# KiCad board SparkFun_GNSS_mosaic-T_panelized.kicad_pcb (continued)
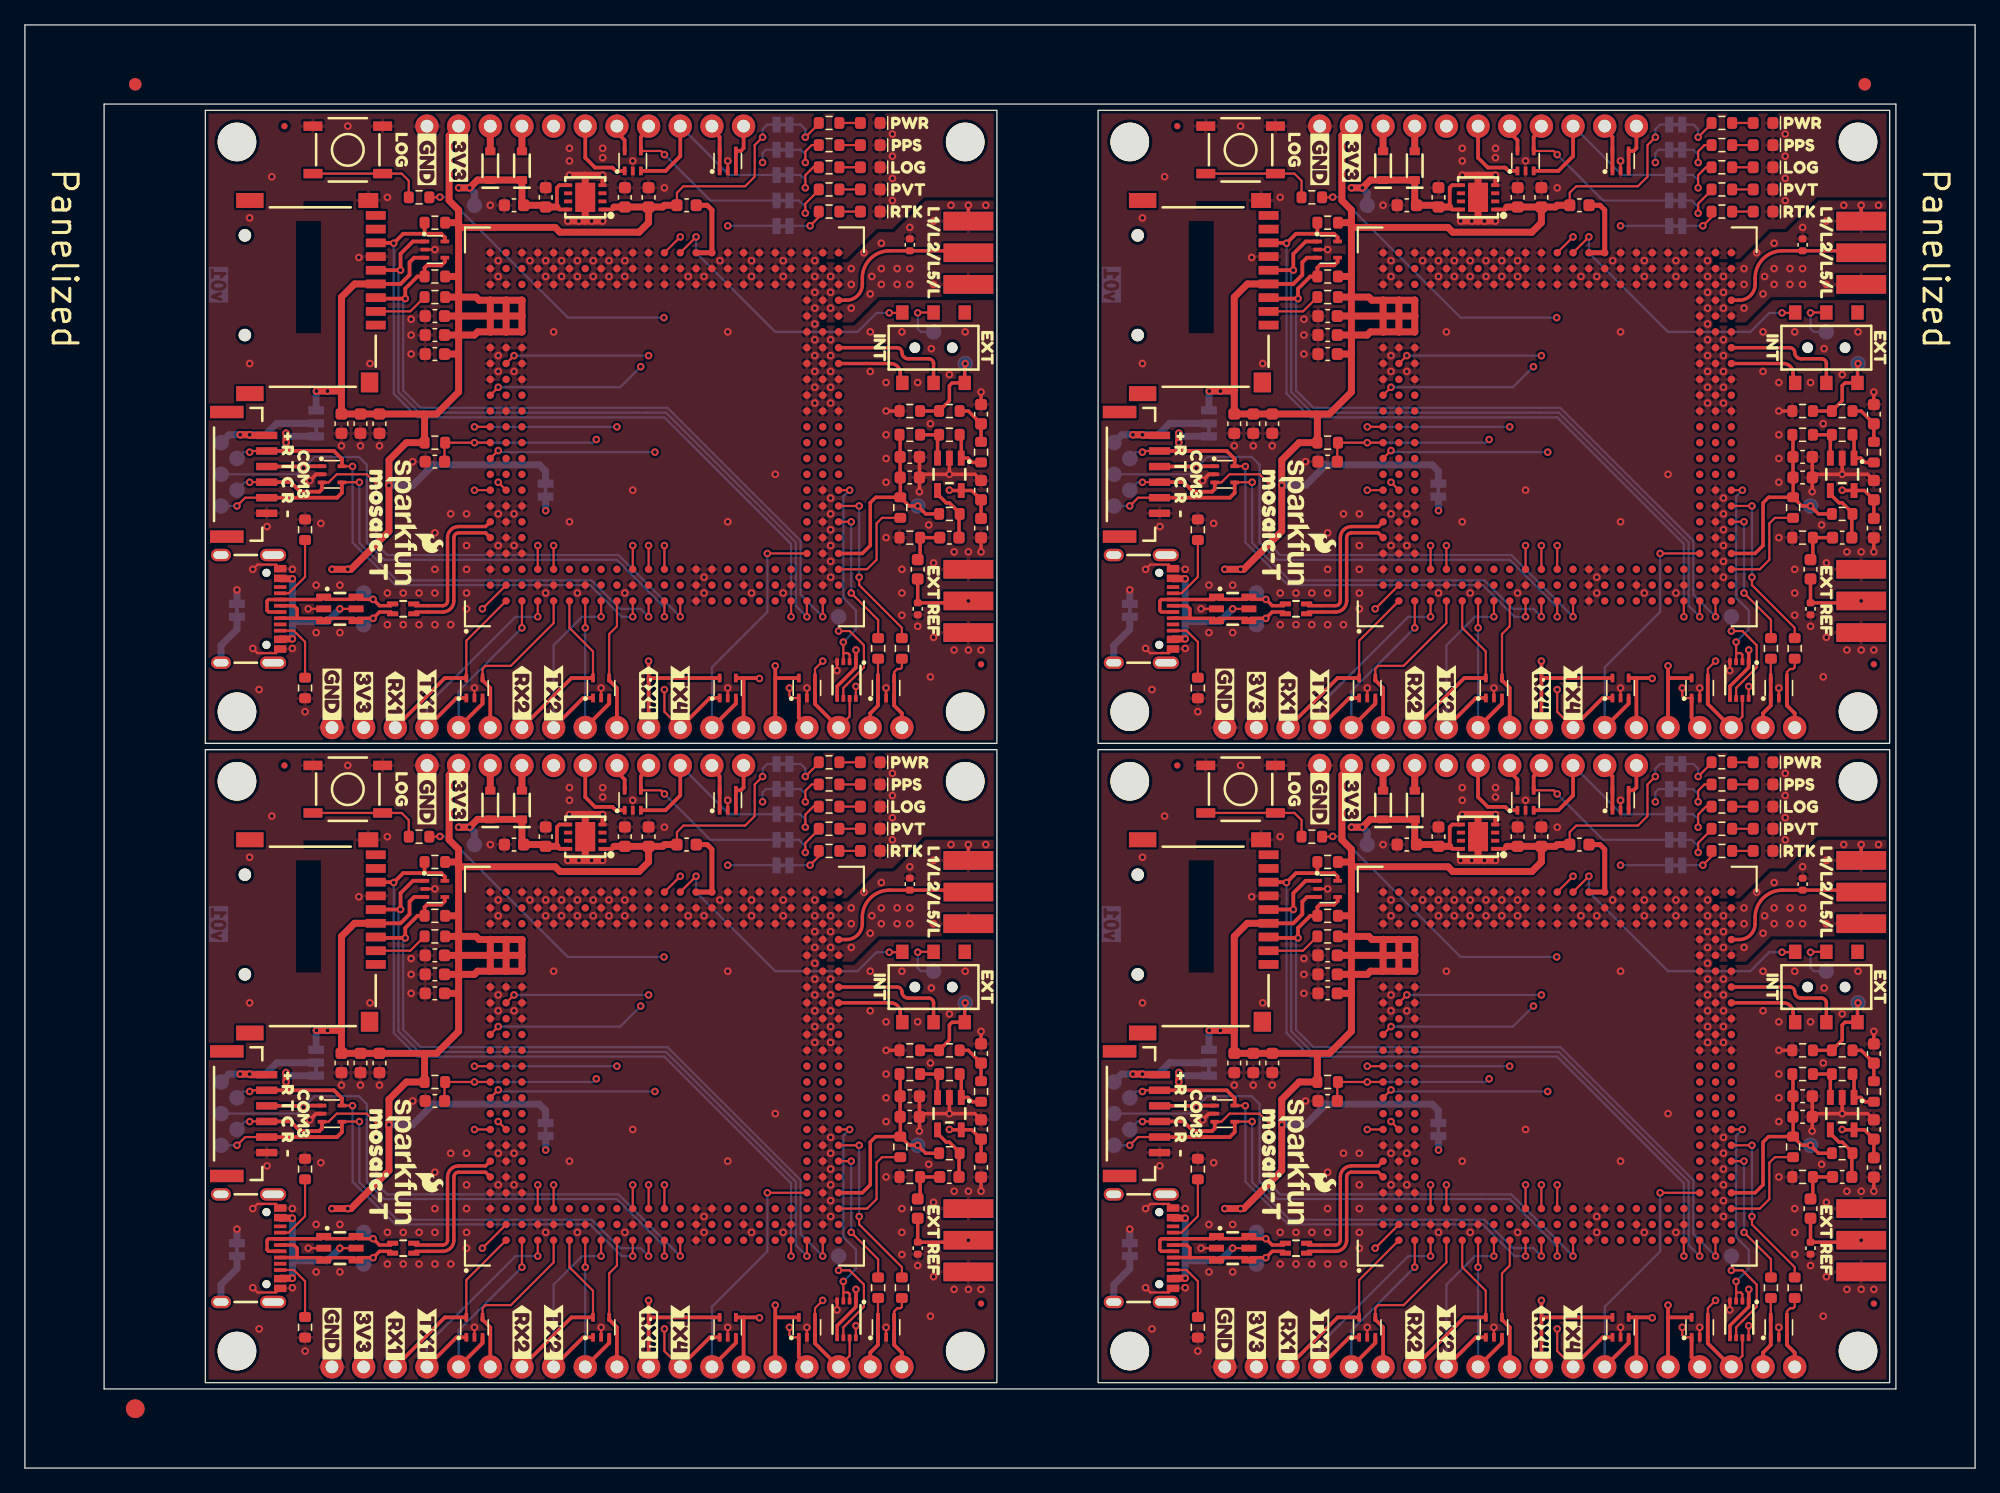
[diagram p0: board, top side]
## Routing (per net, layer and track width the routed paths; a pad name or vN(x,y) marks a point on that pad's centre or on a via; arc(x,y) is an arc through that point) (continued)
VBATT: length 292.4
  Top w0.178: U1#3.B8 v1(37.97,79.11) ; U1#2.B8 v1(109.59,27.81) ; U1.B8 v1(37.97,27.81) ; U1#4.B8 v1(109.59,79.11)
  L3.Cu w0.559: 109.59,28.44 112.38,28.44 113.4,27.42 v1(113.4,25.52) ; 109.59,28.44 v1(109.59,27.81) ; 109.59,28.44 105.9,28.44 102.73,25.27 95.11,25.27 92.57,27.81 92.57,29.84 93.84,31.11 93.84,48.89 94.73,49.78 107.43,49.78 J3#2.5 ; 37.97,28.44 40.76,28.44 41.78,27.42 v1(41.78,25.52) ; 37.97,28.44 v1(37.97,27.81) ; 37.97,28.44 34.28,28.44 31.11,25.27 23.49,25.27 20.95,27.81 20.95,29.84 22.22,31.11 22.22,48.89 23.11,49.78 35.81,49.78 J3.5 ; v1(113.4,76.82) 113.4,78.72 112.38,79.74 109.59,79.74 ; J3#4.5 35.81,101.08 23.11,101.08 22.22,100.19 22.22,82.41 20.95,81.14 20.95,79.11 23.49,76.56 31.11,76.56 34.28,79.74 37.97,79.74 ; 37.97,79.74 40.76,79.74 41.78,78.72 v1(41.78,76.82) ; 37.97,79.74 v1(37.97,79.11) ; 109.59,79.74 v1(109.59,79.11) ; 109.59,79.74 105.9,79.74 102.73,76.56 95.11,76.56 92.57,79.11 92.57,81.14 93.84,82.41 93.84,100.19 94.73,101.08 107.43,101.08 J3#3.5
  Bottom w0.559: VBATT1#3.2 113.4,77.94 v1(113.4,76.82) ; v1(41.78,76.82) 41.78,77.94 VBATT1#2.2 ; VBATT1.2 41.78,26.64 v1(41.78,25.52) ; VBATT1#4.2 113.4,26.64 v1(113.4,25.52)
VIN: length 8.1
  Top w0.559: J3.3 D19#2.2 ; J3#4.3 D19#3.2 ; J3#2.3 D19.2 ; J3#3.3 D19#4.2
ANT: length 51.8
  Top w0.282: U1#4.AC20 137.53,93.71 arc(138.42,94.08) 138.8,94.98 138.8,95.49 arc(139.44,97.03) 140.98,97.68 D9#4.2 147.15,97.68 J2#2.1 ; J2#3.1 75.53,46.38 D9.2 69.36,46.38 arc(67.82,45.73) 67.18,44.19 67.18,43.68 arc(66.8,42.78) 65.91,42.41 U1.AC20 ; J2#4.1 147.15,46.38 D9#2.2 140.98,46.38 arc(139.44,45.73) 138.8,44.19 138.8,43.68 arc(138.42,42.78) 137.53,42.41 U1#2.AC20 ; U1#3.AC20 65.91,93.71 arc(66.8,94.08) 67.18,94.98 67.18,95.49 arc(67.82,97.03) 69.36,97.68 D9#3.2 75.53,97.68 J2.1
CTS1: length 55.9
  Top w0.178: D13#2.4 108.33,12.83 108.57,13.07 110.6,13.07 114.03,16.5 U1#2.E1 ; D13#3.4 36.71,64.13 36.95,64.37 38.98,64.37 42.41,67.8 U1#3.E1 ; D13.4 36.71,12.83 36.95,13.07 38.98,13.07 42.41,16.5 U1.E1 ; D13#4.4 108.33,64.13 108.57,64.37 110.6,64.37 114.03,67.8 U1#4.E1
  Top w0.305: J4#2.6 108.95,11.3 108.33,11.92 D13#2.4 ; D13.4 36.71,11.92 37.33,11.3 J4.6 ; J4#3.6 37.33,62.59 36.71,63.22 D13#3.4 ; J4#4.6 108.95,62.59 108.33,63.22 D13#4.4
CTS2: length 42.7
  Top w0.178: U1#3.J1 47.49,67.55 46.87,66.93 D12#2.4 ; U1#4.J1 119.11,67.55 118.49,66.93 D12#4.4 ; U1.J1 47.49,16.25 46.87,15.63 D12#3.4 ; D12.4 118.49,15.63 119.11,16.25 U1#2.J1
  Top w0.305: D12#4.4 118.49,63.22 119.11,62.59 J4#4.10 ; J4.10 47.49,11.3 46.87,11.92 D12#3.4 ; D12.4 118.49,11.92 119.11,11.3 J4#2.10 ; J4#3.10 47.49,62.59 46.87,63.22 D12#2.4
CTS3: length 184.4
  Top w0.178: v1(28.19,26.53) 28.19,27.68 27.42,28.44 25.01,28.44 24.36,27.79 D14#2.3 23.63,27.79 23.6,27.81 ; 95.22,79.12 95.25,79.09 D14.3 95.98,79.09 96.63,79.74 99.04,79.74 99.81,78.98 v1(99.81,77.84) ; U1#4.N1 v1(124.19,68.31) ; J5.4 89.66,79.12 v1(89.65,79.11) ; J5#3.4 18.04,79.12 v1(18.03,79.11) ; 95.22,27.81 95.25,27.79 D14#3.3 95.98,27.79 96.63,28.44 99.04,28.44 99.81,27.68 v1(99.81,26.53) ; U1.N1 v1(52.57,17.01) ; J5#2.4 18.04,27.81 v1(18.03,27.81) ; J5#4.4 89.66,27.81 v1(89.65,27.81) ; v1(28.19,77.84) 28.19,78.98 27.42,79.74 25.01,79.74 24.36,79.09 D14#4.3 23.63,79.09 23.6,79.12 ; U1#3.N1 v1(52.57,68.31) ; U1#2.N1 v1(124.19,17.01)
  Top w0.305: J5#2.4 21.32,27.81 22.09,27.04 23.61,27.04 23.83,27.26 D14#2.3 ; D14#4.3 23.83,78.56 23.61,78.34 22.09,78.34 21.32,79.12 J5#3.4 ; D14#3.3 95.45,27.26 95.23,27.04 93.71,27.04 92.94,27.81 J5#4.4 ; D14.3 95.45,78.56 95.23,78.34 93.71,78.34 92.94,79.12 J5.4
  Bottom w0.178: v1(28.19,77.84) 28.19,74.15 29.08,73.26 47.62,73.26 v1(52.57,68.31) ; v1(124.19,68.31) 119.24,73.26 100.69,73.26 99.81,74.15 v1(99.81,77.84) ; v1(28.19,26.53) 28.19,22.85 29.08,21.96 47.62,21.96 v1(52.57,17.01) ; TP5#4.1 17.65,79.11 v1(18.03,79.11) ; TP5.1 17.65,27.81 v1(18.03,27.81) ; TP5#2.1 89.27,27.81 v1(89.65,27.81) ; v1(124.19,17.01) 119.24,21.96 100.69,21.96 99.81,22.85 v1(99.81,26.53) ; TP5#3.1 89.27,79.11 v1(89.65,79.11)
D+: length 48.6
  Top w0.278: TR1#3.4 31.34,68.69 33.52,68.69 arc(34.15,68.95) 34.41,69.58 34.41,74.66 arc(34.52,74.93) 34.79,75.04 36.95,75.04 U1#3.A5 ; TR1.4 102.96,68.69 105.14,68.69 arc(105.77,68.95) 106.03,69.58 106.03,74.66 arc(106.14,74.93) 106.41,75.04 108.57,75.04 U1#4.A5 ; U1#2.A5 108.57,23.74 106.41,23.74 arc(106.14,23.63) 106.03,23.36 106.03,18.28 arc(105.77,17.65) 105.14,17.39 102.96,17.39 102.81,17.25 ; 31.19,17.25 31.34,17.39 33.52,17.39 arc(34.15,17.65) 34.41,18.28 34.41,23.36 arc(34.52,23.63) 34.79,23.74 36.95,23.74 U1.A5
D-: length 48.6
  Top w0.278: TR1#2.2 31.34,17.9 33.52,17.9 arc(33.79,18.01) 33.9,18.28 33.9,23.36 arc(34.16,23.99) 34.79,24.25 36.95,24.25 U1.A6 ; TR1#4.2 102.96,17.9 105.14,17.9 arc(105.41,18.01) 105.52,18.28 105.52,23.36 arc(105.78,23.99) 106.41,24.25 108.57,24.25 U1#2.A6 ; TR1#3.2 31.34,69.2 33.52,69.2 arc(33.79,69.31) 33.9,69.58 33.9,74.66 arc(34.16,75.29) 34.79,75.55 36.95,75.55 U1#3.A6 ; TR1.2 102.96,69.2 105.14,69.2 arc(105.41,69.31) 105.52,69.58 105.52,74.66 arc(105.78,75.29) 106.41,75.55 108.57,75.55 U1#4.A6
EVENT_A: length 23.2
  Top w0.178: D15.5 140.05,64.93 140.06,64.95 ; D15#4.5 140.05,13.63 R8#2.2 ; D15#3.5 68.43,13.63 R8#4.2 ; 68.44,64.95 68.43,64.93 D15#2.5
  Top w0.305: J4#3.18 67.81,60.56 68.43,61.18 D15#2.1 D15#2.5 ; J4#2.18 139.43,9.26 140.05,9.88 D15#4.1 D15#4.5 ; D15.5 D15.1 140.05,61.18 139.43,60.56 J4#4.18 ; D15#3.5 D15#3.1 68.43,9.88 67.81,9.26 J4.18
EVENT_B: length 24.7
  Top w0.178: D15#2.4 69.73,63.88 69.97,64.12 70.22,64.12 70.35,64.25 70.35,64.95 ; D15.4 141.35,63.88 141.59,64.12 141.84,64.12 141.97,64.25 141.97,64.95 ; R9#4.2 70.35,12.95 70.22,12.82 69.97,12.82 69.73,12.58 D15#3.4 ; D15#4.4 141.35,12.58 141.59,12.82 141.84,12.82 141.97,12.95 R9.2
  Top w0.305: J4#4.19 141.97,60.56 141.35,61.18 D15.3 D15.4 ; D15#2.4 D15#2.3 69.73,61.18 70.35,60.56 J4#3.19 ; J4#2.19 141.97,9.26 141.35,9.88 D15#4.3 D15#4.4 ; D15#3.4 D15#3.3 69.73,9.88 70.35,9.26 J4.19
GP1: length 88.6
  Top w0.178: U1#3.AA4 v1(59.56,73.39) ; U1.AA4 v1(59.56,22.09) ; U1#4.AA4 v1(131.18,73.39) ; U1#2.AA4 v1(131.18,22.09)
  Top w0.305: D11#2.3 128.65,10.04 J4#2.13 ; D11#3.3 57.03,10.04 J4.13 ; J4#3.13 57.03,61.34 D11#4.3 ; D11.3 128.65,61.34 J4#4.13
  Bottom w0.178: v1(131.18,22.09) 131.18,17.39 126.73,12.95 J4#2.13 ; J4#4.13 126.73,64.25 131.18,68.69 v1(131.18,73.39) ; v1(59.56,22.09) 59.56,17.39 55.11,12.95 J4.13 ; v1(59.56,73.39) 59.56,68.69 55.11,64.25 J4#3.13
GP2: length 97.2
  Top w0.178: U1#3.L3 v1(50.03,74.03) ; U1.L3 v1(50.03,22.73) ; U1#2.L3 v1(121.65,22.73) ; U1#4.L3 v1(121.65,74.03)
  Top w0.305: D11#2.4 129.27,12.09 ; 129.27,12.09 J4#2.14 ; 129.27,12.09 130.5,12.09 v1(130.54,12.06) ; J4#3.14 57.65,63.39 ; 57.65,63.39 58.88,63.39 v1(58.92,63.36) ; 57.65,63.39 D11#4.4 ; J4#4.14 129.27,63.39 ; 129.27,63.39 130.5,63.39 v1(130.54,63.36) ; 129.27,63.39 D11.4 ; J4.14 57.65,12.09 ; 57.65,12.09 58.88,12.09 v1(58.92,12.06) ; 57.65,12.09 D11#3.4
  L3.Cu w0.178: v1(50.03,74.03) 50.66,73.39 50.66,67.93 54.73,63.87 58.41,63.87 v1(58.92,63.36) ; v1(121.65,74.03) 122.28,73.39 122.28,67.93 126.35,63.87 130.03,63.87 v1(130.54,63.36) ; v1(121.65,22.73) 122.28,22.09 122.28,16.63 126.35,12.56 130.03,12.56 v1(130.54,12.06) ; v1(50.03,22.73) 50.66,22.09 50.66,16.63 54.73,12.56 58.41,12.56 v1(58.92,12.06)
LOG_BTN: length 275.2
  Top w0.178: v1(104.91,50.68) 104.89,50.67 R13#2.2 ; v1(132.95,11.3) 132.95,10.66 133.12,10.5 D10#3.1 ; v1(104.91,101.98) 104.89,101.97 R13#3.2 ; U1.K3 v1(48.76,22.73) ; D10#4.1 61.5,61.8 61.33,61.96 v1(61.33,62.59) ; v1(33.29,50.68) 33.27,50.67 R13.2 ; D10#2.1 133.12,61.8 132.95,61.96 v1(132.95,62.59) ; R13#4.2 33.27,101.97 v1(33.29,101.98) ; D10.1 61.5,10.5 61.33,10.66 v1(61.33,11.3) ; U1#4.K3 v1(120.38,74.03) ; U1#2.K3 v1(120.38,22.73) ; U1#3.K3 v1(48.76,74.03)
  Top w0.305: D10.1 62.08,8.9 62.73,8.25 J4.16 ; J4#3.16 62.73,59.55 62.08,60.2 D10#4.1 ; D10#3.1 133.7,8.9 134.35,8.25 J4#2.16 ; D10#2.1 133.7,60.2 134.35,59.55 J4#4.16
  L3.Cu w0.178: v1(132.95,11.3) 132.83,11.17 130.03,11.17 129.14,12.06 125.59,12.06 121.02,16.63 121.02,22.09 v1(120.38,22.73) 122.92,25.27 122.92,40.97 v1(122.88,41.01) ; v1(51.26,92.31) 51.3,92.27 51.3,76.56 v1(48.76,74.03) 49.4,73.39 49.4,67.93 53.97,63.36 57.52,63.36 58.41,62.47 61.21,62.47 v1(61.33,62.59) ; v1(61.33,11.3) 61.21,11.17 58.41,11.17 57.52,12.06 53.97,12.06 49.4,16.63 49.4,22.09 v1(48.76,22.73) 51.3,25.27 51.3,40.97 v1(51.26,41.01) ; v1(132.95,62.59) 132.83,62.47 130.03,62.47 129.14,63.36 125.59,63.36 121.02,67.93 121.02,73.39 v1(120.38,74.03) 122.92,76.56 122.92,92.27 v1(122.88,92.31)
  Bottom w0.178: v1(104.91,50.68) 105.5,50.68 115.17,41.01 v1(122.88,41.01) ; v1(51.26,41.01) 43.55,41.01 33.88,50.68 v1(33.29,50.68) ; v1(51.26,92.31) 43.55,92.31 33.88,101.98 v1(33.29,101.98) ; v1(104.91,101.98) 105.5,101.98 115.17,92.31 v1(122.88,92.31)
LOG_LED: length 253.6
  Top w0.178: U1#3.B2 v1(36.69,68.94) ; U1.B2 v1(36.69,17.64) ; U1#2.B2 v1(108.31,17.64) ; U1#4.B2 v1(108.31,68.94)
  Top w0.305: D7.3 51.39,52.79 52.57,53.97 J3.9 ; J3#2.9 124.19,53.97 123.01,52.79 D7#2.3 ; J3#4.9 52.57,105.27 51.39,104.09 D7#3.3 ; D7#4.3 123.01,104.09 124.19,105.27 J3#3.9
  L3.Cu w0.178: J3#2.9 120.38,52.57 120.38,31.36 111.49,22.47 111.49,20.82 v1(108.31,17.64) ; J3#3.9 120.38,103.87 120.38,82.66 111.49,73.77 111.49,72.12 v1(108.31,68.94) ; v1(36.69,17.64) 39.87,20.82 39.87,22.47 48.76,31.36 48.76,52.57 J3.9 ; J3#4.9 48.76,103.87 48.76,82.66 39.87,73.77 39.87,72.12 v1(36.69,68.94)
  Bottom w0.178: J3#2.9 128.11,52.46 LOG1#2.2 ; J3#4.9 56.49,103.76 LOG1#3.2 ; J3#3.9 128.11,103.76 LOG1.2 ; J3.9 56.49,52.46 LOG1#4.2
ON_OFF: length 193.1
  Top w0.178: v1(109.59,30.34) U1#2.A10 ; v1(37.97,81.65) U1#3.A10 ; v1(37.97,30.34) U1.A10 ; v1(109.59,81.65) U1#4.A10
  Top w0.305: J3#3.11 129.27,105.9 129.05,105.69 D8#3.4 D8#3.3 ; J3#2.11 129.27,54.6 129.05,54.39 D8#2.4 D8#2.3 ; J3#4.11 57.65,105.9 57.43,105.69 D8.4 D8.3 ; J3.11 57.65,54.6 57.43,54.39 D8#4.4 D8#4.3
  L3.Cu w0.178: J3#4.11 57.65,104 57.14,103.49 54.47,103.49 50.58,99.59 50.58,81.56 v1(50.54,81.52) ; v1(50.54,30.22) 50.58,30.26 50.58,48.29 54.47,52.19 57.14,52.19 57.65,52.7 J3.11 ; v1(122.16,30.22) 122.2,30.26 122.2,48.29 126.09,52.19 128.76,52.19 129.27,52.7 J3#2.11 ; v1(122.16,81.52) 122.2,81.56 122.2,99.59 126.09,103.49 128.76,103.49 129.27,104 J3#3.11
  Bottom w0.178: v1(109.59,81.65) 109.71,81.52 v1(122.16,81.52) ; v1(109.59,30.34) 109.71,30.22 v1(122.16,30.22) ; v1(50.54,81.52) 38.09,81.52 v1(37.97,81.65) ; v1(50.54,30.22) 38.09,30.22 v1(37.97,30.34)
PMIC_ON_REQ: length 144.3
  Top w0.178: U1#4.B16 v1(110.86,89.27) ; U1.B16 v1(39.24,37.97) ; U1#2.B16 v1(110.86,37.97) ; U1#3.B16 v1(39.24,89.27)
  Top w0.305: D8#3.1 D8#3.5 127.35,106.81 126.73,107.43 J3#3.10 ; D8.1 D8.5 55.73,106.81 55.11,107.43 J3#4.10 ; D8#4.1 D8#4.5 55.73,55.51 55.11,56.13 J3.10 ; J3#2.10 126.73,56.13 127.35,55.51 D8#2.5 D8#2.1
  L3.Cu w0.178: J3.10 55.11,53.33 50.03,48.25 v1(50.03,37.97) ; v1(50.03,89.27) 50.03,99.55 55.11,104.63 J3#4.10 ; v1(121.65,37.97) 121.65,48.25 126.73,53.33 J3#2.10 ; v1(121.65,89.27) 121.65,99.55 126.73,104.63 J3#3.10
  Bottom w0.178: v1(39.24,89.27) v1(50.03,89.27) ; v1(110.86,89.27) v1(121.65,89.27) ; v1(39.24,37.97) v1(50.03,37.97) ; v1(110.86,37.97) v1(121.65,37.97)
PPS: length 270.4
  Top w0.178: J4#2.17 137.78,9 137.78,10.45 ; 66.16,10.45 66.16,9 J4.17 ; D10#4.4 63.38,64.13 v1(64,64.75) ; D10.4 63.38,12.83 v1(64,13.45) ; v1(135.62,64.75) 135,64.13 D10#2.4 ; 66.16,61.75 66.16,60.31 J4#3.17 ; v1(135.62,13.45) 135,12.83 D10#3.4 ; 137.78,61.75 137.78,60.31 J4#4.17
  Top w0.305: D10#3.4 D10#3.3 135,10.01 J4#2.17 ; J4#3.17 63.38,61.31 D10#4.3 D10#4.4 ; D10.4 D10.3 63.38,10.01 J4.17 ; D10#2.4 D10#2.3 135,61.31 J4#4.17
  L3.Cu w0.178: v1(64,13.45) 63.62,13.84 57.14,13.84 52.57,18.41 52.57,41.65 51.55,42.66 51.55,48 52.7,49.14 54.73,49.14 56.13,47.74 56.89,47.74 59.17,50.03 v1(59.17,53.46) ; v1(135.62,64.75) 135.24,65.14 128.76,65.14 124.19,69.71 124.19,92.95 123.17,93.96 123.17,99.3 124.32,100.44 126.35,100.44 127.75,99.04 128.51,99.04 130.79,101.33 v1(130.79,104.76) ; v1(130.79,53.46) 130.79,50.03 128.51,47.74 127.75,47.74 126.35,49.14 124.32,49.14 123.17,48 123.17,42.66 124.19,41.65 124.19,18.41 128.76,13.84 135.24,13.84 v1(135.62,13.45) ; v1(59.17,104.76) 59.17,101.33 56.89,99.04 56.13,99.04 54.73,100.44 52.7,100.44 51.55,99.3 51.55,93.96 52.57,92.95 52.57,69.71 57.14,65.14 63.62,65.14 v1(64,64.75)
  Bottom w0.178: v1(130.79,104.76) 130.79,105.52 131.06,105.78 PPS1#4.2 ; PPS1#2.2 59.44,105.78 59.17,105.52 v1(59.17,104.76) ; PPS1#3.2 131.06,54.48 130.79,54.22 v1(130.79,53.46) ; PPS1.2 59.44,54.48 59.17,54.22 v1(59.17,53.46)
PPS_1V8: length 67.3
  Top w0.178: v1(65.65,66.28) 65.66,66.27 65.66,65.39 ; 65.66,14.09 65.66,14.97 v1(65.65,14.98) ; 65.66,14.09 66.03,14.09 66.16,13.97 U2.2 ; 65.66,14.09 U2.3 ; v1(137.27,14.98) 137.28,14.97 137.28,14.09 ; v1(137.78,78.47) U1#4.AC8 ; 65.66,65.39 U2#2.3 ; 65.66,65.39 66.03,65.39 66.16,65.27 U2#2.2 ; v1(137.27,66.28) 137.28,66.27 137.28,65.39 ; 137.28,65.39 137.65,65.39 137.78,65.27 U2#3.2 ; 137.28,65.39 U2#3.3 ; v1(66.16,27.17) U1.AC8 ; v1(137.78,27.17) U1#2.AC8 ; 137.28,14.09 U2#4.3 ; 137.28,14.09 137.65,14.09 137.78,13.97 U2#4.2 ; v1(66.16,78.47) U1#3.AC8
  Bottom w0.178: v1(137.27,66.28) 138.29,67.29 138.29,68.82 137.27,69.83 137.27,77.96 v1(137.78,78.47) ; v1(66.16,78.47) 65.65,77.96 65.65,69.83 66.67,68.82 66.67,67.29 v1(65.65,66.28) ; v1(65.65,14.98) 66.67,15.99 66.67,17.52 65.65,18.53 65.65,26.66 v1(66.16,27.17) ; v1(137.78,27.17) 137.27,26.66 137.27,18.53 138.29,17.52 138.29,15.99 v1(137.27,14.98)
PVT_LED: length 183.9
  Top w0.178: v1(51.3,105.39) 51.01,105.69 D7#3.4 ; D7.4 51.01,54.39 v1(51.3,54.09) ; U1.A14 v1(37.97,35.42) ; D7#4.4 122.63,105.69 v1(122.92,105.39) ; U1#3.A14 v1(37.97,86.72) ; U1#2.A14 v1(109.59,35.42) ; D7#2.4 122.63,54.39 v1(122.92,54.09) ; U1#4.A14 v1(109.59,86.72)
  Top w0.305: 121.65,107.3 J3#3.8 121.65,107.43 121.03,106.81 D7#4.4 ; 50.03,107.3 J3#4.8 50.03,107.43 49.41,106.81 D7#3.4 ; D7.4 49.41,55.51 50.03,56.13 J3.8 50.03,56 ; D7#2.4 121.03,55.51 121.65,56.13 J3#2.8 121.65,56
  L3.Cu w0.178: v1(122.92,105.39) 121.02,103.49 v1(121.02,88.38) ; v1(121.02,37.08) 121.02,52.19 v1(122.92,54.09) ; v1(51.3,54.09) 49.4,52.19 v1(49.4,37.08) ; v1(49.4,88.38) 49.4,103.49 v1(51.3,105.39)
  Bottom w0.178: v1(121.02,37.08) 119.36,35.42 v1(109.59,35.42) ; v1(121.02,88.38) 119.36,86.72 v1(109.59,86.72) ; PVT1.2 54.98,101.71 v1(51.3,105.39) ; v1(37.97,35.42) 47.74,35.42 v1(49.4,37.08) ; PVT1#4.2 54.98,50.41 v1(51.3,54.09) ; v1(49.4,88.38) 47.74,86.72 v1(37.97,86.72) ; v1(122.92,54.09) 126.6,50.41 PVT1#2.2 ; PVT1#3.2 126.6,101.71 v1(122.92,105.39)
RDY: length 156.3
  Top w0.178: U1#3.A12 v1(36.06,83.55) ; U1.A12 v1(36.06,32.25) ; U1#4.A12 v1(107.68,83.55) ; U1#2.A12 v1(107.68,32.25)
  Top w0.305: J3.7 47.49,55.87 48.11,55.25 D7.5 ; D7#4.5 119.73,106.55 119.11,107.17 J3#3.7 ; D7#3.5 48.11,106.55 47.49,107.17 J3#4.7 ; J3#2.7 119.11,55.87 119.73,55.25 D7#2.5
  L3.Cu w0.178: v1(119.11,83.55) J3#3.7 ; v1(47.49,32.25) J3.7 ; v1(119.11,32.25) J3#2.7 ; v1(47.49,83.55) J3#4.7
  Bottom w0.178: v1(107.68,83.55) v1(119.11,83.55) ; v1(107.68,32.25) v1(119.11,32.25) ; v1(36.06,83.55) v1(47.49,83.55) ; v1(36.06,32.25) v1(47.49,32.25)
REF_EXT: length 27.2
  Top w0.282: v1(75.43,88.63) 75.39,88.59 SW1#2.1 74.38,87.08 74.16,86.85 74.16,85.65 R21#2.2 R22#3.1 ; R22.1 R21.2 145.78,85.65 145.78,86.85 146,87.08 SW1.1 147.01,88.59 v1(147.05,88.63) ; R22#2.1 R21#4.2 74.16,34.34 74.16,35.55 74.38,35.78 SW1#3.1 75.39,37.29 v1(75.43,37.33) ; R22#4.1 R21#3.2 145.78,34.34 145.78,35.55 146,35.78 SW1#4.1 147.01,37.29 v1(147.05,37.33)
REF_IN: length 39.6
  Top w0.282: U1#3.AC17 69.97,89.9 arc(70.24,89.79) 70.35,89.52 arc(70.5,89.16) 70.86,89.01 72.51,89.01 arc(72.78,88.9) 72.89,88.63 SW1#2.2 ; U1#4.AC17 141.59,89.9 arc(141.86,89.79) 141.97,89.52 arc(142.12,89.16) 142.48,89.01 144.13,89.01 arc(144.4,88.9) 144.51,88.63 SW1.2 ; U1#2.AC17 141.59,38.6 arc(141.86,38.49) 141.97,38.22 arc(142.12,37.86) 142.48,37.71 144.13,37.71 arc(144.4,37.6) 144.51,37.33 SW1#4.2 ; U1.AC17 69.97,38.6 arc(70.24,38.49) 70.35,38.22 arc(70.5,37.86) 70.86,37.71 72.51,37.71 arc(72.78,37.6) 72.89,37.33 SW1#3.2
REF_OUT: length 25.1
  Top w0.282: U1#2.AC16 141.08,37.33 arc(141.62,37.11) 141.84,36.57 141.84,35.94 arc(141.89,35.82) SW1#4.3 ; U1.AC16 69.46,37.33 arc(70,37.11) 70.22,36.57 70.22,35.94 arc(70.27,35.82) SW1#3.3 ; U1#3.AC16 69.46,88.63 arc(70,88.41) 70.22,87.87 70.22,87.24 arc(70.27,87.12) SW1#2.3 ; U1#4.AC16 141.08,88.63 arc(141.62,88.41) 141.84,87.87 141.84,87.24 arc(141.89,87.12) SW1.3
RTK_LED: length 247.1
  Top w0.178: U1#4.M3 v1(122.92,74.03) ; U1#2.M3 v1(122.92,22.73) ; U1.M3 v1(51.3,22.73) ; U1#3.M3 v1(51.3,74.03)
  Top w0.305: 60.19,63.36 J4#3.15 ; 60.19,63.36 v1(60.19,64.37) ; 60.19,63.36 60.23,63.39 D10#4.5 ; D10#3.5 131.85,12.09 131.81,12.06 ; 60.19,12.06 60.23,12.09 D10.5 ; 60.19,12.06 v1(60.19,13.07) ; 60.19,12.06 J4.15 ; v1(131.81,64.37) 131.81,63.36 ; 131.81,63.36 J4#4.15 ; 131.81,63.36 131.85,63.39 D10#2.5 ; v1(131.81,13.07) 131.81,12.06 ; 131.81,12.06 J4#2.15
  L3.Cu w0.178: v1(131.81,13.07) 126.6,13.07 123.56,16.12 123.56,22.09 v1(122.92,22.73) 123.68,23.49 123.68,41.39 122.67,42.41 122.67,48.25 124.06,49.65 126.73,49.65 v1(128,48.38) ; v1(131.81,64.37) 126.6,64.37 123.56,67.42 123.56,73.39 v1(122.92,74.03) 123.68,74.79 123.68,92.69 122.67,93.71 122.67,99.55 124.06,100.95 126.73,100.95 v1(128,99.68) ; v1(60.19,64.37) 54.98,64.37 51.94,67.42 51.94,73.39 v1(51.3,74.03) 52.06,74.79 52.06,92.69 51.05,93.71 51.05,99.55 52.44,100.95 55.11,100.95 v1(56.38,99.68) ; v1(56.38,48.38) 55.11,49.65 52.44,49.65 51.05,48.25 51.05,42.41 52.06,41.39 52.06,23.49 v1(51.3,22.73) 51.94,22.09 51.94,16.12 54.98,13.07 v1(60.19,13.07)
  Bottom w0.178: v1(56.38,48.38) 60.27,48.38 RTK1#2.2 ; RTK1#3.2 131.89,48.38 v1(128,48.38) ; v1(128,99.68) 131.89,99.68 RTK1#4.2 ; v1(56.38,99.68) 60.27,99.68 RTK1.2
RTS1: length 61.7
  Top w0.178: U1.C1 v1(39.87,16.12) ; U1#4.C1 v1(111.49,67.42) ; U1#2.C1 v1(111.49,16.12) ; U1#3.C1 v1(39.87,67.42)
  Top w0.305: J4#2.5 108.33,10.04 D13#2.3 ; D13#4.3 108.33,61.34 J4#4.5 ; J4.5 36.71,10.04 D13.3 ; D13#3.3 36.71,61.34 J4#3.5
  Bottom w0.178: v1(111.49,67.42) 106.41,62.34 J4#4.5 ; v1(39.87,16.12) 34.79,11.04 J4.5 ; v1(111.49,16.12) 106.41,11.04 J4#2.5 ; v1(39.87,67.42) 34.79,62.34 J4#3.5
RTS2: length 53.3
  Top w0.178: U1#2.G1 v1(116.57,16.12) ; U1#4.G1 v1(116.57,67.42) ; U1#3.G1 v1(44.95,67.42) ; U1.G1 v1(44.95,16.12)
  Top w0.305: J4#4.9 118.49,61.34 D12#4.3 ; J4#2.9 118.49,10.04 D12.3 ; J4.9 46.87,10.04 D12#3.3 ; J4#3.9 46.87,61.34 D12#2.3
  Bottom w0.178: v1(116.57,67.42) J4#4.9 ; v1(44.95,16.12) J4.9 ; v1(116.57,16.12) J4#2.9 ; v1(44.95,67.42) J4#3.9
RTS3: length 176.6
  Top w0.178: v1(26.83,27.81) 25.45,27.81 D14#2.4 ; v1(17.01,25.9) 17.68,26.56 J5#2.5 ; v1(88.63,25.9) 89.3,26.56 J5#4.5 ; U1#4.L1 v1(121.65,68.31) ; J5.5 89.3,77.87 v1(88.63,77.2) ; v1(98.45,27.81) 97.06,27.81 D14#3.4 ; D14#4.4 25.45,79.11 v1(26.83,79.11) ; D14.4 97.06,79.11 v1(98.45,79.11) ; U1#2.L1 v1(121.65,17.01) ; J5#3.5 17.68,77.87 v1(17.01,77.2) ; U1#3.L1 v1(50.03,68.31) ; U1.L1 v1(50.03,17.01)
  Top w0.305: J5#3.5 25.04,77.87 25.43,78.25 D14#4.4 ; D14#2.4 25.43,26.95 25.04,26.56 J5#2.5 ; D14.4 97.05,78.25 96.66,77.87 J5.5 ; D14#3.4 97.05,26.95 96.66,26.56 J5#4.5
  Bottom w0.178: v1(26.83,79.11) 26.83,74.24 29.84,71.23 45.46,71.23 47.74,68.94 49.4,68.94 v1(50.03,68.31) ; v1(121.65,17.01) 121.02,17.64 119.36,17.64 117.08,19.93 101.46,19.93 98.45,22.94 v1(98.45,27.81) ; v1(26.83,27.81) 26.83,22.94 29.84,19.93 45.46,19.93 47.74,17.64 49.4,17.64 v1(50.03,17.01) ; TP4#3.1 v1(88.63,25.9) ; v1(121.65,68.31) 121.02,68.94 119.36,68.94 117.08,71.23 101.46,71.23 98.45,74.24 v1(98.45,79.11) ; TP4.1 v1(88.63,77.2) ; TP4#4.1 v1(17.01,25.9) ; TP4#2.1 v1(17.01,77.2)
RX1: length 59.4
  Top w0.178: U1#4.B1 107.03,66.39 D13#4.5 ; U1#3.B1 35.41,66.39 D13#3.5 ; D13#2.5 107.03,15.09 U1#2.B1 ; D13.5 35.41,15.09 U1.B1
  Top w0.305: D13#3.5 33.69,63.39 J4#3.3 ; J4#4.3 105.31,63.39 D13#4.5 ; D13#2.5 105.31,12.09 J4#2.3 ; J4.3 33.69,12.09 D13.5
RX2: length 57.3
  Top w0.178: D12#3.5 45.57,14.23 43.68,16.12 U1.F1 ; D12.5 117.19,14.23 115.3,16.12 U1#2.F1 ; D12#2.5 45.57,65.53 43.68,67.42 U1#3.F1 ; U1#4.F1 115.3,67.42 117.19,65.53 D12#4.5
  Top w0.305: J4#4.7 115.47,63.39 D12#4.5 ; J4#2.7 115.47,12.09 D12.5 ; D12#2.5 43.84,63.39 J4#3.7 ; J4.7 43.84,12.09 D12#3.5
RX3: length 170.8
  Top w0.178: v1(26.28,29.08) 26.27,29.09 D14#2.5 ; J5#4.2 89.74,30.31 v1(89.65,30.22) ; v1(89.65,81.52) 89.74,81.62 J5.2 ; D14#3.5 97.89,29.09 v1(97.9,29.08) ; v1(18.03,81.52) 18.12,81.62 J5#3.2 ; U1#3.K1 v1(48.76,68.31) ; J5#2.2 18.12,30.31 v1(18.03,30.22) ; v1(97.9,80.38) 97.89,80.39 D14.5 ; U1#4.K1 v1(120.38,68.31) ; U1.K1 v1(48.76,17.01) ; U1#2.K1 v1(120.38,17.01) ; v1(26.28,80.38) 26.27,80.39 D14#4.5